# Altium PCB TIDA-01576_ADS8686S_ISO_Interface.PcbDoc (part 1 of 4) (continued)
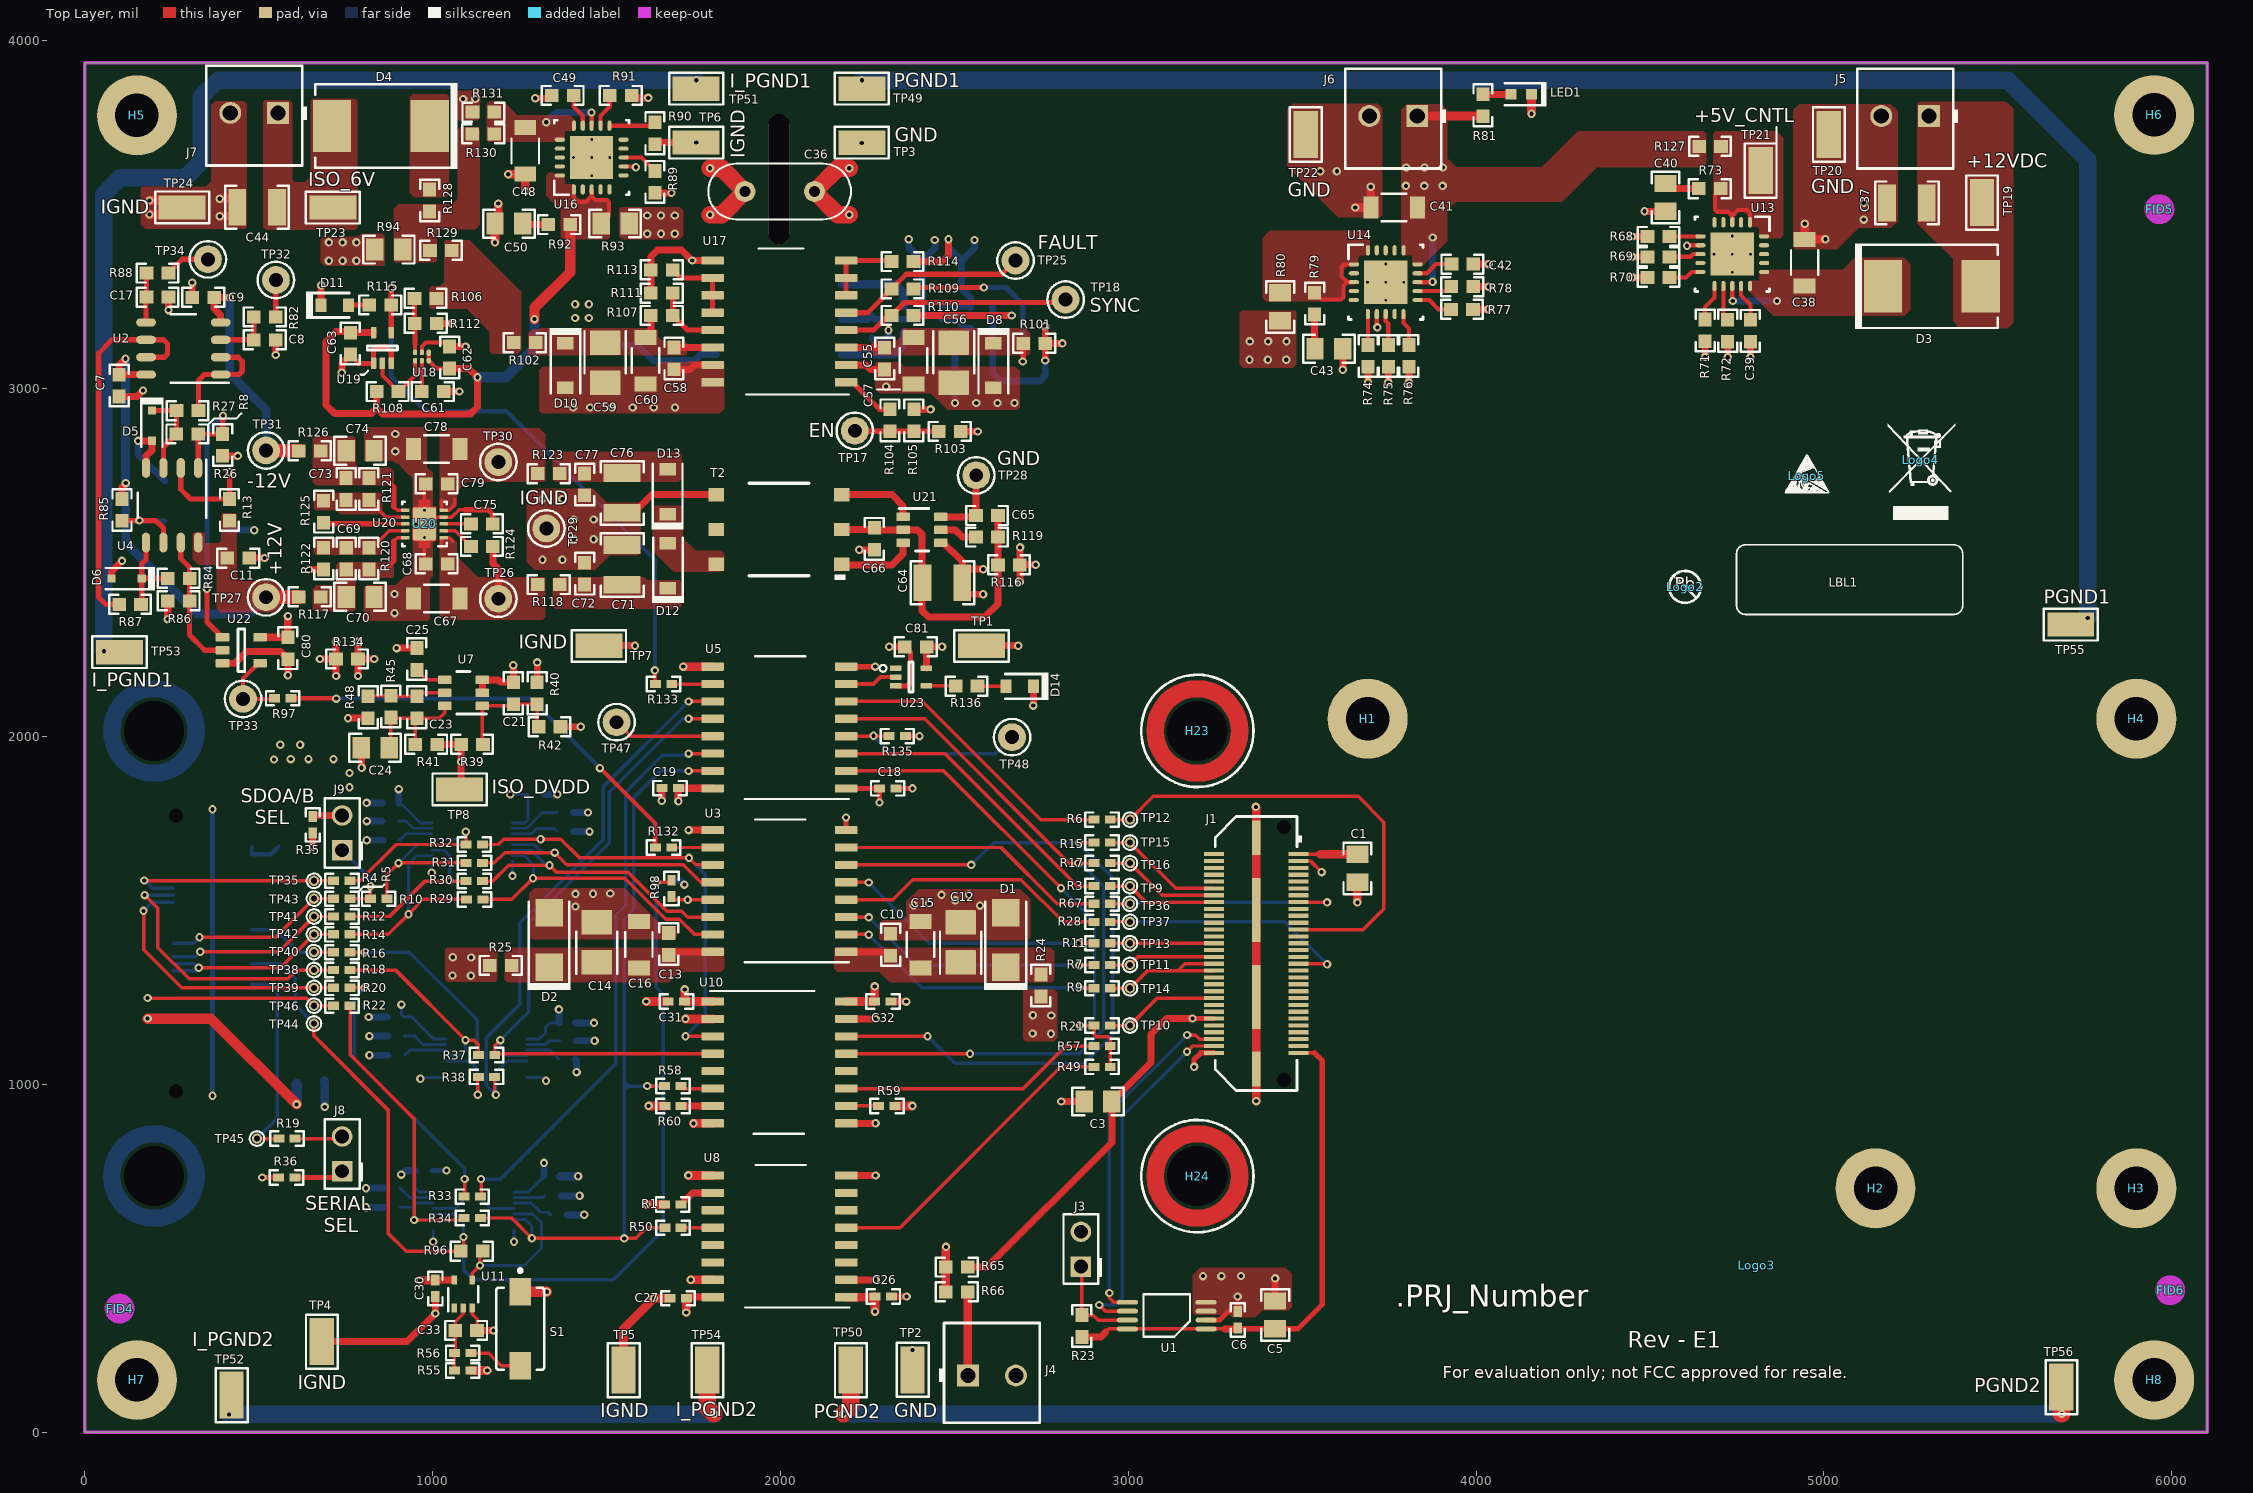
[diagram p0: Top Layer view]
## Classes and differential pairs
component class "TIDA-01576_ADS8686S_ISO_Interface_Pg4-Isolated Power Supply": C36 C45 C46 C47 C51 C52 C53 C54 C55 C56 C57 C58 C59 C60 C61 C62 C63 C64 C65 C66 C67 C68 C69 C70 C71 C72 C73 C74 C75 C76 C77 C78 C79 C? D7 D8 D9 D10 D11 D12 D13 D? R99 R100 R101 R102 R103 R104 R105 R106 R107 R108 R109 R110 R111 R112 R113 R114 R115 R116 R117 R118 R119 R120 R121 R122 R123 R124 R125 R126 R134 R? T1 T2 T? TP17 TP18 TP25 TP26 TP27 TP28 TP29 TP30 TP31 TP? U15 U17 U18 U19 U20 U21 U?
component class TIDA-01576_ADS8686S_ISO_Interface_Pg3-PowerSupply: C37 C38 C39 C40 C41 C42 C43 C44 C48 C49 C50 D3 D4 J5 J6 J7 LED1 R68 R69 R70 R71 R72 R73 R74 R75 R76 R77 R78 R79 R80 R81 R89 R90 R91 R92 R93 R94 R127 R128 R129 R130 R131 TP19 TP20 TP21 TP22 TP23 TP24 TP49 TP50 TP51 TP52 TP53 TP54 TP55 TP56 U13 U14 U16
component class TIDA-01576_ADS8686S_ISO_Interface_Pg6-LevelShifters: C20 C21 C22 C23 C24 C25 C26 C27 C28 C29 C30 C31 C32 C33 C34 C35 R1 R39 R40 R41 R42 R43 R44 R45 R46 R47 R48 R49 R50 R51 R52 R53 R54 R55 R56 R57 R58 R59 R60 R61 R62 R63 R64 R96 S1 U6 U7 U8 U9 U10 U11 U12
component class TIDA-01576_ADS8686S_ISO_Interface_Pg5-Digital: C7 C8 C9 C10 C11 C12 C13 C14 C15 C16 C17 C18 C19 C80 C81 D1 D2 D5 D6 D14 R2 R8 R13 R24 R25 R26 R27 R29 R30 R31 R32 R33 R34 R37 R38 R82 R83 R84 R85 R86 R87 R88 R95 R97 R98 R132 R133 R135 R136 TP1 TP2 TP3 TP4 TP5 TP6 TP7 TP8 TP32 TP33 TP34 TP47 TP48 U2 U3 U4 U5 U22 U23
component class TIDA-01576_ADS8686S_ISO_Interface_Pg7-Connectors: C1 C2 C3 C4 C5 C6 J1 J2 J3 J4 J8 J9 R3 R4 R5 R6 R7 R9 R10 R11 R12 R14 R15 R16 R17 R18 R19 R20 R21 R22 R23 R28 R35 R36 R65 R66 R67 TP9 TP10 TP11 TP12 TP13 TP14 TP15 TP16 TP35 TP36 TP37 TP38 TP39 TP40 TP41 TP42 TP43 TP44 TP45 TP46 U1
component class Header: J3 J8 J9
component class TIDA-01576_ADS8686S_ISO_Interface_Pg8-Hardware: FID1 FID2 FID3 FID4 FID5 FID6 H1 H2 H3 H4 H5 H6 H7 H8 H9 H10 H11 H12 H13 H14 H15 H16 H21 H22 H23 H24 LBL1 Logo2 Logo3 Logo4 Logo5 ZZ1 ZZ2 ZZ3 ZZ4
component class FiducialMark: FID1 FID2 FID3 FID4 FID5 FID6
component class AssemblyNote: ZZ1 ZZ2 ZZ3 ZZ4
component class Label: LBL1

## Components (designator, comment, footprint, x,y, rotation, side; value= is the part's Value field where it differs from the comment)
C1 "GRM21BR71A106KE51L" 0805_HV 3659,1621 r270 top value=10uF
C2 "GRM21BR71A106KE51L" 0805_HV 670,1871 r0 bottom value=10uF
C3 "GRM21BR71A106KE51L" 0805_HV 2913.25,950.5 r180 top value=10uF
C4 "GRM21BR71A106KE51L" 0805_HV 649,1000 r0 bottom value=10uF
C5 "GRM21BR71A106KE51L" 0805_HV 3422.5,337 r90 top value=10uF
C6 "GRM155R71C104KA88D" 0402 3314.73,322.58 r270 top value=0.1uF
C7 "06033C104JAT2A" 0603 99,3009 r90 top value=0.1uF
C8 "C1608C0G1E103J080AA" 0603 517.49,3140.32 r180 top value=0.01uF
C9 "06033C104JAT2A" 0603 340.49,3262.32 r0 top value=0.1uF
C10 "C0603C104K5RACTU" 0603 2317.06,1401.01 r90 top value=0.1uF
C11 "06033C104JAT2A" 0603 441,2513 r180 top value=0.1uF
C12 "T491B106K016AT" 3528-21 2518,1408 r90 top value=10uF
C13 "C0603C104K5RACTU" 0603 1679,1403.31 r90 top value=0.1uF
C14 "T491B106K016AT" 3528-21 1472,1408.31 r90 top value=10uF
C15 "GRM31CR61H106KA12L" 1206_180 2403.06,1401.31 r90 top value=10uF
C16 "GRM31CR61H106KA12L" 1206_180 1593,1401.31 r270 top value=10uF
C17 "C1608C0G1E103J080AA" 0603 209.14,3263.1 r180 top value=0.01uF
C18 "GRM155R71C104KA88D" 0402 2308.5,1850.81 r180 top value=0.1uF
C19 "GRM155R71C104KA88D" 0402 1683.01,1851.61 r180 top value=0.1uF
C20 "GRM155R71C104KA88D" 0402 1297.69,1833.5 r0 bottom value=0.1uF
C21 "GRM188R71E105KA12D" 0603 1232,2124.5 r270 top value=1uF
C22 "GRM155R71C104KA88D" 0402 879.08,1809 r180 bottom value=0.1uF
C23 "GRM1885C1H150JA01D" 0603 954.82,2084.18 r90 top value=15pF
C24 "CL21B106KOQNNNE" 0805_HV 834.82,1967.55 r180 top value=10uF
C25 "GRM188R71E103KA01D" 0603 954.82,2222.69 r90 top value=0.01uF
C26 "GRM155R71C104KA88D" 0402 2295.81,389.81 r180 top value=0.1uF
C27 "GRM155R71C104KA88D" 0402 1705.81,384.81 r180 top value=0.1uF
C28 "GRM155R71C104KA88D" 0402 1343.97,735.63 r0 bottom value=0.1uF
C29 "GRM155R71C104KA88D" 0402 974.78,752.25 r0 bottom value=0.1uF
C30 "GRM155R71C104KA88D" 0402 1007.91,413.15 r90 top value=0.1uF
C31 "GRM155R71C104KA88D" 0402 1701.19,1237.81 r0 top value=0.1uF
C32 "GRM155R71C104KA88D" 0402 2294.81,1237.81 r0 top value=0.1uF
C33 "GRM188R71E105KA12D" 0603 1096.41,292.15 r0 top value=1uF
C34 "GRM155R71C104KA88D" 0402 1386.75,1176.5 r0 bottom value=0.1uF
C35 "GRM155R71C104KA88D" 0402 893.51,1193.5 r180 bottom value=0.1uF
C36 "" CAP_200mil 1998,3567 r180 top value=1000pF
C37 "GRM32ER71H106KA12L" 1210_270 5239,3534 r180 top value=10uF
C38 "C3216X5R1E476M160AC" 1206_190 4945.05,3362.55 r90 top value=47uF
C39 "C1608X7R1C105K080AC" 0603 4788.8,3166.3 r270 top value=1uF
C40 "C2012X5R1A476M125AC" 0805_HV 4545,3550 r270 top value=47uF
C41 "C3216X5R1E476M160AC" 1206_190 3764.44,3521.04 r180 top value=47uF
C42 "C1608X7R1C105K080AC" 0603 3960.86,3358.2 r0 top value=1uF
C43 "C2012X5R1A476M125AC" 0805_HV 3576.98,3114.76 r0 top value=47uF
C44 "GRM32ER71H106KA12L" 1210_270 495.58,3521.69 r180 top value=10uF
C45 "" 1210 2464,3343.63 r180 bottom value=10uF
C46 "" 0603 2578,3233.63 r0 bottom value=0.1uF
C47 "" 0603 2263,3177.63 r90 bottom value=0.1uF
C48 "C3216X5R1E476M160AC" 1206_190 1266.41,3683.59 r270 top value=47uF
C49 "C1608X7R1C105K080AC" 0603 1373.91,3843.09 r180 top value=1uF
C50 "C2012X5R1A476M125AC" 0805_HV 1219.41,3474.59 r180 top value=47uF
C51 "" 1210 1524,3295.63 r270 bottom value=10uF
C52 "" 0603_HV 1420,3317 r270 bottom value=0.1uF
C53 "" 1210 1524,3067.63 r270 bottom value=10uF
C54 "" 0603_HV 1420,3049 r270 bottom value=0.1uF
C55 "C0603C104K5RACTU" 0603 2300,3086.63 r90 top value=0.1uF
C56 "T491B106K016AT" 3528-21 2498,3074.63 r270 top value=10uF
C57 "GRM31CR61H106KA12L" 1206_180 2383,3080.63 r270 top value=10uF
C58 "C0603C104K5RACTU" 0603 1694.08,3086.95 r90 top value=0.1uF
C59 "T491B106K016AT" 3528-21 1495.76,3074.63 r270 top value=10uF
C60 "GRM31CR61H106KA12L" 1206_180 1612,3080.63 r90 top value=10uF
C61 "06035A101FAT2A" 0603 1000.25,2991.71 r0 top value=100pF
C62 "C0603C104K5RACTU" 0603 1049.25,3089.71 r270 top value=0.1uF
C63 "C0603C104K5RACTU" 0603 763.72,3129.71 r270 top value=0.1uF
C64 "" 1210 2466,2442 r180 top value=10uF
C65 "" 0603 2594,2635.36 r0 top value=0.1uF
C66 "" 0603 2270,2568.28 r90 top value=0.1uF
C67 "C1210C106M5RACTU" 1206_180 1011.66,2396.46 r0 top value=10uF
C68 "C1608X7R1E105K080AB" 0603 1011.66,2496.46 r180 top value=1uF
C69 "GMK107BJ104KAHT" 0603 751.73,2511.46 r90 top value=0.1uF
C70 "C0805C225K8RACTU" 0805_HV 791.66,2401.46 r0 top value=2.2uF
C71 "" 1210 1545,2493.28 r90 top value=10uF
C72 "" 0603 1437,2468.28 r90 top value=0.1uF
C73 "GMK107BJ104KAHT" 0603 751.66,2711.46 r270 top value=0.1uF
C74 "C0805C225K8RACTU" 0805_HV 791.66,2821.46 r0 top value=2.2uF
C75 "GRM188R70J103KA01D" 0603 1141.66,2611.46 r0 top value=0.01uF
C76 "" 1210 1545,2700.28 r90 top value=10uF
C77 "" 0603 1437,2724.78 r90 top value=0.1uF
C78 "C1210C106M5RACTU" 1206_180 1011.66,2826.46 r0 top value=10uF
C79 "C1608X7R1E105K080AB" 0603 1011.66,2726.46 r180 top value=1uF
C80 "06033D104KAT2A" 0603 584.04,2254 r270 top value=0.1uF
C81 "C0603C104K5RACTU" 0603 2389,2258 r180 top value=0.1uF
D1 "PTZTE253.9B" SMA 2648,1415 r90 top value=3.9V
D2 "PTZTE253.9B" SMA 1335,1415 r90 top value=3.9V
D3 "MBRS4201T3G" SMC 5311,3294.42 r0 top value=200V
D4 "MBRS4201T3G" SMC 851,3755 r180 top value=200V
D5 "BAV19WS-7-F" SOD-323#1 193,2893.63 r270 top value=100V
D6 "BAV19WS-7-F" SOD-323#2 120.17,2454 r180 top value=100V
D7 "MBR0520L" SOD-123 1675,3289.63 r270 bottom value=20V
D8 "MMSZ5232B-7-F" SOD-123 2612,3066.63 r270 top value=5.6V
D9 "MBR0520L" SOD-123 1674,3073.63 r270 bottom value=20V
D10 "MMSZ5232B-7-F" SOD-123 1381.76,3066.63 r270 top value=5.6V
D11 "LG M67K-G1J2-24-Z" LG_M67K_Green 719,3240 r0 top value=Green
D12 "B0520LW-7-F" SOD-123 1676.46,2491.28 r90 top value=20V
D13 "B0520LW-7-F" SOD-123 1676,2703.78 r90 top value=20V
D14 "LG M67K-G1J2-24-Z" LG_M67K_Green 2687.85,2144.3 r180 top value=Green
FID1 "Fiducial" Fiducial10-20 100,355 r180 bottom
FID2 "Fiducial" Fiducial10-20 5965,3516 r180 bottom
FID3 "Fiducial" Fiducial10-20 5996,408 r180 bottom
FID4 "Fiducial" Fiducial10-20 100,355 r0 top
FID5 "Fiducial" Fiducial10-20 5965,3516 r0 top
FID6 "Fiducial" Fiducial10-20 5996,408 r0 top
H1 "PMSSS 440 0025 PH" B_F_PMSSS4400025PH 3688.74,2051 r0 top
H2 "PMSSS 440 0025 PH" B_F_PMSSS4400025PH 5148.74,701 r0 top
H3 "PMSSS 440 0025 PH" B_F_PMSSS4400025PH 5898.74,701 r0 top
H4 "PMSSS 440 0025 PH" B_F_PMSSS4400025PH 5898.74,2051 r0 top
H5 "PMSSS 440 0025 PH" B_F_PMSSS4400025PH 150,3786 r0 top locked
H6 "PMSSS 440 0025 PH" B_F_PMSSS4400025PH 5950,3787 r0 top locked
H7 "PMSSS 440 0025 PH" B_F_PMSSS4400025PH 150,150 r0 top locked
H8 "PMSSS 440 0025 PH" B_F_PMSSS4400025PH 5950,150 r0 top locked
H9 "1891" Keystone_1891 3688.74,2051 r180 bottom locked
H10 "1891" Keystone_1891 5898.74,701 r180 bottom locked
H11 "1891" Keystone_1891 5142.47,700.68 r180 bottom locked
H12 "1891" Keystone_1891 5898.74,2051 r180 bottom locked
H13 "1893" Keystone_1893 5951,143.67 r180 bottom
H14 "1893" Keystone_1893 150,150 r180 bottom
H15 "1893" Keystone_1893 150,3786 r180 bottom
H16 "1893" Keystone_1893 5950,3787 r180 bottom
H21 "9774050360R" Wurth_WA-SMSI 198.75,2016.01 r180 bottom
H22 "9774050360R" Wurth_WA-SMSI 198.74,736 r180 bottom
H23 "9774050360R" Wurth_WA-SMSI 3198.74,2016 r0 top
H24 "9774050360R" Wurth_WA-SMSI 3198.74,736 r0 top
J1 "QTH-030-03-L-D-A" Samtec_QTH-030-01-x-D-A 3368,1376 r270 top
J2 "QSH-030-01-L-D-A" Samtec_QSH-030-01-X-D-A 367,1376.01 r180 bottom
J3 "PEC02SAAN" CONN_PEC02SAAN 2864.05,526 r90 top
J4 "39357-0002" MOLEX_39357-0002 2608.2,162.57 r0 top
J5 "39357-0002" MOLEX_39357-0002 5234.1,3784 r180 top
J6 "39357-0002" MOLEX_39357-0002 3762.1,3784 r180 top
J7 "39357-0002" MOLEX_39357-0002 487.1,3793 r180 top
J8 "PEC02SAAN" CONN_PEC02SAAN 740,800 r90 top
J9 "PEC02SAAN" CONN_PEC02SAAN 740,1723 r90 top
LBL1 "Size: 0.65\" x 0.20 \"" Label_650x200 5074.25,2451 r0 top
LED1 "LTST-C193TGKT-5A" LTST-C193_Green_S 4130,3846.5 r0 top value=Green
Logo2 "Pb-Free Symbol" Pb-Free_Overlay_Small 4601,2430.25 r0 top
Logo3 "FCC disclaimer" FCC_disclaimer 4807.5,479 r0 top
Logo4 "WEEE logo" WEEE_Minimum 5278.93,2795 r0 top
Logo5 "ESD Susceptible" ESD_Overlay_small 4951.01,2749.14 r0 top
R1 "ERJ-2RKF1002X" 0402 1690.38,654.25 r0 top value=10.0k
R2 "ERJ-2RKF1002X" 0402 1686.73,1563 r90 bottom value=10.0k
R3 "ERJ-2GE0R00X" 0402 2924.75,1570 r0 top value=0
R4 "ERJ-2GE0R00X" 0402 739.19,1585 r180 top value=0
R5 "ERJ-2GE0R00X" 0402 739.19,1533.71 r180 top value=0
R6 "ERJ-2GE0R00X" 0402 2924.75,1761 r180 top value=0
R7 "ERJ-2GE0R00X" 0402 2924.75,1343 r0 top value=0
R8 "CRCW06031M00FKEA" 0603 294.88,2869.84 r180 top value=1.00Meg
R9 "ERJ-2GE0R00X" 0402 2924.75,1276.24 r0 top value=0
R10 "ERJ-2GE0R00X" 0402 845,1533.71 r180 top value=0
R11 "ERJ-2GE0R00X" 0402 2924.75,1405.6 r0 top value=0
R12 "ERJ-2GE0R00X" 0402 739.19,1482.43 r180 top value=0
R13 "RC0603FR-07100KL" 0603 416,2651.5 r270 top value=100k
R14 "ERJ-2GE0R00X" 0402 739.19,1431.14 r180 top value=0
R15 "ERJ-2GE0R00X" 0402 2924.75,1695 r0 top value=0
R16 "ERJ-2GE0R00X" 0402 739.19,1379.86 r180 top value=0
R17 "ERJ-2GE0R00X" 0402 2924.75,1636 r0 top value=0
R18 "ERJ-2GE0R00X" 0402 739.19,1328.57 r180 top value=0
R19 "ERJ-2GE0R00X" 0402 581.38,844 r0 top value=0
R20 "ERJ-2GE0R00X" 0402 739.19,1277.29 r180 top value=0
R21 "ERJ-2GE0R00X" 0402 2924.75,1169 r0 top value=0
R22 "ERJ-2GE0R00X" 0402 739.19,1226 r180 top value=0
R23 "CRCW060310K0FKEA" 0603 2866.5,305 r270 top value=10.0k
R24 "CRCW06030000Z0EA" 0603 2749,1284 r270 top value=0
R25 "CRCW06030000Z0EA" 0603 1196,1341.58 r0 top value=0
R26 "CRCW060310K0FKEA" 0603 396.41,2838.27 r270 top value=10.0k
R27 "CRCW060310K0FKEA" 0603 295.36,2937 r180 top value=10k
R28 "ERJ-2GE0R00X" 0402 2924.75,1467 r0 top value=0
R29 "ERJ-2GE0R00X" 0402 1120.94,1531.5 r180 top value=0
R30 "ERJ-2GE0R00X" 0402 1120,1584.46 r180 top value=0
R31 "ERJ-2GE0R00X" 0402 1120.12,1636.65 r180 top value=0
R32 "ERJ-2GE0R00X" 0402 1119.78,1689.43 r180 top value=0
R33 "ERJ-2GE0R00X" 0402 1114,677 r180 top value=0
R34 "ERJ-2GE0R00X" 0402 1114,615.56 r180 top value=0
R35 "ERJ-2RKF1002X" 0402 655.39,1746 r270 top value=10.0k
R36 "ERJ-2RKF1001X" 0402 580.38,732 r180 top value=1.00k
R37 "ERJ-2GE0R00X" 0402 1155.14,1084 r180 top value=0
R38 "ERJ-2GE0R00X" 0402 1155,1021.34 r180 top value=0
R39 "CRCW06030000Z0EA" 0603 1113.52,1977.55 r0 top value=0
R40 "CRCW06030000Z0EA" 0603 1300.87,2124.5 r90 top value=0
R41 "CRT0603-BY-10R0ELF" 0603 981.45,1977.55 r180 top value=10.0
R42 "CRCW06030000Z0EA" 0603 1336.3,2028 r0 top value=0
R43 "ERJ-2RKF1002X" 0402 878.53,1756.68 r0 bottom value=10.0k
R44 "ERJ-2RKF1002X" 0402 881.29,1701.68 r0 bottom value=10.0k
R45 "CRCW060351K1FKEA" 0603 879.82,2086.05 r270 top value=51.1k
R46 "ERJ-2RKF1002X" 0402 1381.69,1781.5 r0 bottom value=10.0k
R47 "ERJ-2RKF1002X" 0402 1381.69,1726.5 r0 bottom value=10.0k
R48 "CRCW060330K1FKEA" 0603 814.82,2084.05 r90 top value=30.1k
R49 "ERJ-2GE0R00X" 0402 2924.75,1050 r180 top value=0
R50 "ERJ-2GE0R00X" 0402 1691.19,587.75 r180 top value=0
R51 "ERJ-2RKF1002X" 0402 883.33,701.25 r0 bottom value=10.0k
R52 "ERJ-2RKF1002X" 0402 883.33,646.25 r0 bottom value=10.0k
R53 "ERJ-2RKF1002X" 0402 1346.09,679.44 r0 bottom value=10.0k
R54 "ERJ-2RKF1002X" 0402 1363.37,624.75 r180 bottom value=10.0k
R55 "CRCW0402100KFKED" 0402 1086.53,177.15 r0 top value=100k
R56 "ERJ-2RKF1002X" 0402 1086.53,227.15 r0 top value=10.0k
R57 "ERJ-2GE0R00X" 0402 2924.75,1110 r180 top value=0
R58 "ERJ-2GE0R00X" 0402 1691,995 r180 top value=0
R59 "ERJ-2RKF1002X" 0402 2306.19,937.81 r0 top value=10.0k
R60 "ERJ-2RKF1002X" 0402 1691.19,937.81 r0 top value=10.0k
R61 "ERJ-2RKF1002X" 0402 895.75,1138.5 r0 bottom value=10.0k
R62 "ERJ-2RKF1002X" 0402 895.75,1083.5 r0 bottom value=10.0k
R63 "ERJ-2RKF1002X" 0402 1388.38,1125.19 r180 bottom value=10.0k
R64 "ERJ-2RKF1002X" 0402 1387.82,1071.69 r180 bottom value=10.0k
R65 "CRCW06030000Z0EA" 0603 2507,474.5 r0 top value=0
R66 "CRCW06030000Z0EA" 0603 2507,403.5 r0 top value=0
R67 "ERJ-2GE0R00X" 0402 2924.75,1519 r0 top value=0
R68 "CRCW06030000Z0EA" 0603 4524.8,3437.55 r0 top value=0
R69 "CRCW06030000Z0EA" 0603 4524.8,3379.3 r0 top value=0
R70 "CRCW06030000Z0EA" 0603 4524.8,3320.05 r0 top value=0
R71 "CRCW06030000Z0EA" 0603 4658.8,3167.55 r90 top value=0
R72 "CRCW06030000Z0EA" 0603 4723.8,3166.55 r90 top value=0
R73 "ERJ-3RSFR10V" 0603 4672,3575 r0 top value=0.1
R74 "CRCW06030000Z0EA" 0603 3689.61,3094.2 r90 top value=0
R75 "CRCW06030000Z0EA" 0603 3747.86,3094.2 r90 top value=0
R76 "CRCW06030000Z0EA" 0603 3807.11,3094.2 r90 top value=0
R77 "CRCW06030000Z0EA" 0603 3959.61,3228.2 r180 top value=0
R78 "CRCW06030000Z0EA" 0603 3960.61,3293.2 r180 top value=0
R79 "ERJ-3RSFR10V" 0603 3535.98,3244.76 r90 top value=0.1
R80 "ERJ6LWFR005V" 0805_HV 3436.98,3235.41 r90 top value=0.005
R81 "RC0603JR-071KL" 0603 4020,3815 r270 top value=1.0k
R82 "CRCW0603100RFKEA" 0603 517.49,3206.19 r180 top value=100
R83 "RC1206FR-07470RL" 1206 417,2650.27 r90 bottom value=470
R84 "CRCW06031M00FKEA" 0603 269.88,2454.84 r180 top value=1.00Meg
R85 "RC0603FR-07100KL" 0603 107,2651.5 r90 top value=100k
R86 "CRCW060310K0FKEA" 0603 269.88,2389.84 r180 top value=10.0k
R87 "CRCW060310K0FKEA" 0603 130.17,2380 r0 top value=10k
R88 "CRCW0603100RFKEA" 0603 209.14,3332.48 r180 top value=100
R89 "CRCW06030000Z0EA" 0603 1639.41,3594.59 r90 top value=0
R90 "CRCW06030000Z0EA" 0603 1639.41,3734.59 r90 top value=0
R91 "CRCW06030000Z0EA" 0603 1540.91,3843.09 r180 top value=0
R92 "ERJ-3RSFR10V" 0603 1364,3472 r0 top value=0.1
R93 "ERJ6LWFR005V" 0805_HV 1525,3475 r180 top value=0.005
R94 "ERJ6LWFR005V" 0805_HV 874,3400 r0 top value=0.005
R95 "RC1206FR-07470RL" 1206 230,2677 r270 bottom value=470
R96 "CRCW06030000Z0EA" 0603 1112.62,520 r180 top value=0
R97 "ERJ-2GE0R00X" 0402 569,2110 r180 top value=0
R98 "ERJ-2GE0R00X" 0402 1686.73,1563 r90 top value=0
R99 "CRCW06030000Z0EA" 0603 1354,3317 r90 bottom value=0
R100 "CRCW06030000Z0EA" 0603 2579,3172.73 r180 bottom value=0
R101 "CRCW06030000Z0EA" 0603 2730,3130.38 r0 top value=0
R102 "CRCW06030000Z0EA" 0603 1265,3132.63 r180 top value=0
R103 "RC0603JR-0747KL" 0603 2487,2877 r0 top value=47k
R104 "CRCW06030000Z0EA" 0603 2315,2909 r270 top value=0
R105 "RC0603JR-0747KL" 0603 2383.5,2909 r270 top value=47k
R106 "CRCW060382K0JNEA" 0603 979.72,3259.71 r180 top value=82k
R107 "RC0603FR-07100KL" 0603 1659,3210.63 r180 top value=100k
R108 "CRCW060310K0FKEA" 0603 870.72,2991.71 r0 top value=10.0k
R109 "RC0603JR-0747KL" 0603 2351,3286.63 r0 top value=47k
R110 "RC0603JR-071KL" 0603 2351,3210.63 r180 top value=1.0k
R111 "RC0603FR-07100KL" 0603 1659,3274.63 r0 top value=100k
R112 "CRCW060310K0FKEA" 0603 980.25,3187.71 r0 top value=10.0k
R113 "CRCW06030000Z0EA" 0603 1659,3341.63 r180 top value=0
R114 "CRCW06030000Z0EA" 0603 2351,3365.63 r0 top value=0
R115 "RC0603JR-071KL" 0603 849.72,3240.71 r0 top value=1.0k
R116 "CRCW06030000Z0EA" 0603 2657,2493.65 r0 top value=0
R117 "CRCW06030000Z0EA" 0603 646.66,2401.46 r180 top value=0
R118 "CRCW06030000Z0EA" 0603 1334,2437 r180 top value=0
R119 "CRCW06030000Z0EA" 0603 2594,2573.56 r180 top value=0
R120 "CRCW0603274KFKEA" 0603 816.66,2511.46 r270 top value=274k
R121 "CRCW0603274KFKEA" 0603 816.66,2711.46 r90 top value=274k
R122 "CRCW060331K6FKEA" 0603 686.66,2511.46 r90 top value=31.6k
R123 "CRCW06030000Z0EA" 0603 1334,2755.95 r180 top value=0
R124 "CRCW06030000Z0EA" 0603 1141.66,2546.46 r180 top value=0
R125 "CRCW060327K4FKEA" 0603 686.66,2646.46 r90 top value=27.4k
R126 "CRCW06030000Z0EA" 0603 646.66,2821.46 r180 top value=0
R127 "CRCW06030000Z0EA" 0603 4673,3697 r0 top value=0
R128 "CRCW06030000Z0EA" 0603 991.8,3541 r90 top value=0
R129 "CRCW06030000Z0EA" 0603 1024,3398 r180 top value=0
R130 "CRCW06030000Z0EA" 0603 1145.83,3732.59 r0 top value=0
R131 "CRCW06030000Z0EA" 0603 1146,3795 r0 top value=0
R132 "ERJ-2GE0R00X" 0402 1664,1681 r180 top value=0
R133 "ERJ-2GE0R00X" 0402 1664,2151 r180 top value=0
R134 "CRCW06030000Z0EA" 0603 754,2223 r180 top value=0
R135 "ERJ-2GE0R00X" 0402 2336,2001 r180 top value=0
R136 "RC0603JR-071KL" 0603 2535.26,2144.85 r0 top value=1.0k
S1 "EVQPNF04M" SW_EVQPNF04M 1251.91,297.15 r270 top
T1 "750342271" 760390015 2176.11,3298.73 r180 bottom locked value=469uH
T2 "760390014" Wurth_760390013 1996,2595.28 r180 top value=475uH
TP1 "5015" Testpoint_Keystone_Miniature 2578,2261 r0 top
TP2 "5015" Testpoint_Keystone_Miniature 2380,179 r90 top
TP3 "5015" Testpoint_Keystone_Miniature 2234,3706.82 r180 top
TP4 "5015" Testpoint_Keystone_Miniature 681,260 r90 top
TP5 "5015" Testpoint_Keystone_Miniature 1549,178 r90 top
TP6 "5015" Testpoint_Keystone_Miniature 1757.82,3707.82 r0 top
TP7 "5015" Testpoint_Keystone_Miniature 1478,2261 r0 top
TP8 "5015" Testpoint_Keystone_Miniature 1077.75,1847.5 r180 top
TP9 "TP_H0.45P0.75" TP_H045P075 3005.03,1570 r180 top
TP10 "TP_H0.45P0.75" TP_H045P075 3005.03,1169 r180 top
TP11 "TP_H0.45P0.75" TP_H045P075 3005.03,1343.12 r180 top
TP12 "TP_H0.45P0.75" TP_H045P075 3005.03,1761 r180 top
TP13 "TP_H0.45P0.75" TP_H045P075 3005.03,1405.6 r90 top